# Altium PCB YZL-T808-V1.0.PcbDoc (part 1 of 2) (continued)
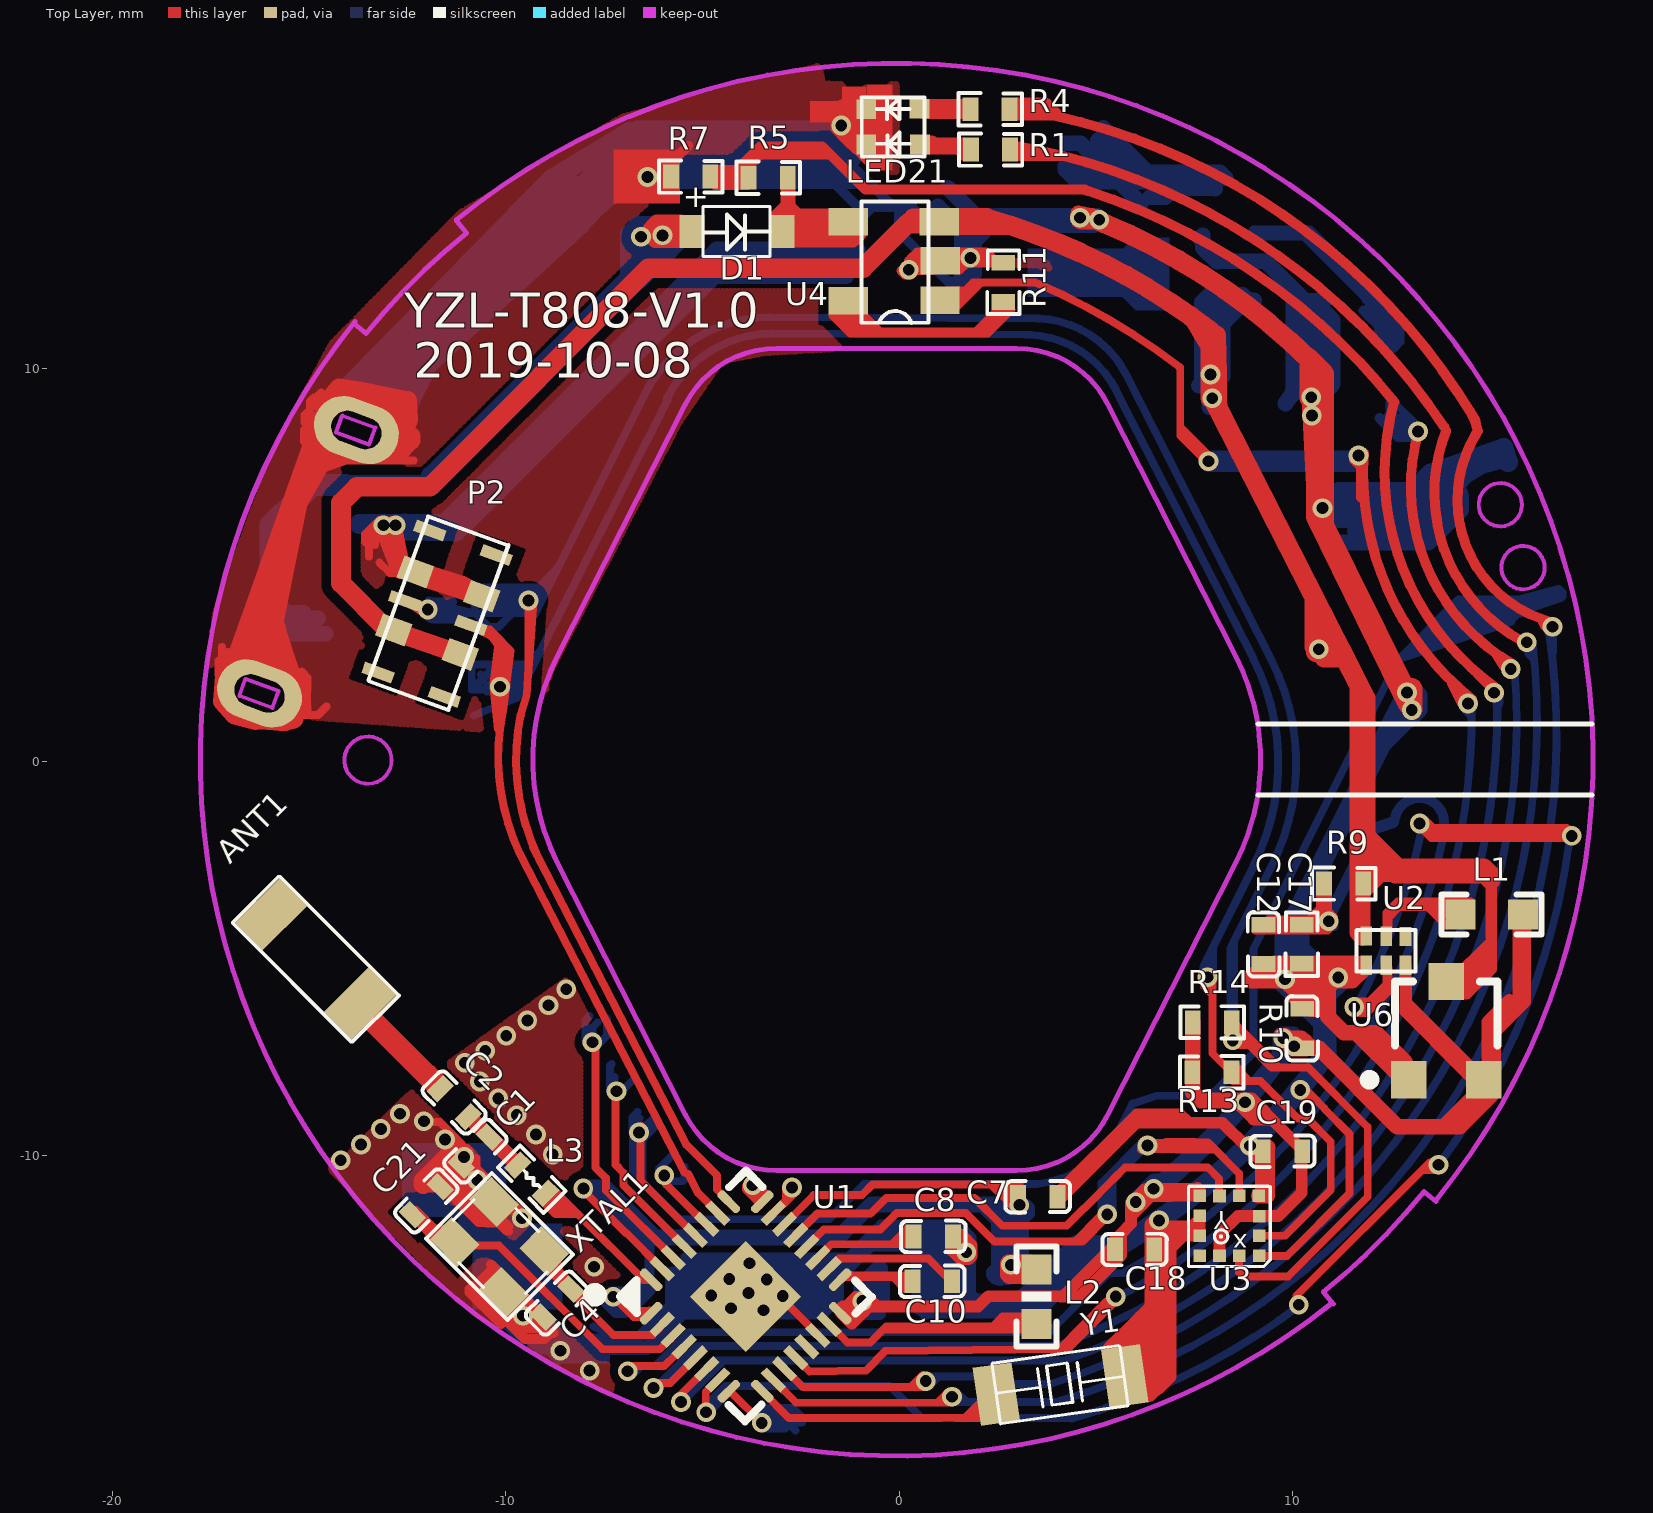
[diagram p0: Top Layer view]
## Nets (pads, with @x,y where several pads share a name; then routed paths per layer and width w, separated by ;. In a path a pad name is that pad's centre, name@x,y a point inside that pad or via, vN(x,y) a via of type N, cw(c..) or ccw(c..) an arc to the next point about the centre after c; other vN are vias at no path point) (continued)
  Bottom Layer w0.2: v1(-6.9,-15.494) -6.763,-15.357 -6.546,-15.357 ; v1@-6.761,-15.572 -6.546,-15.357 ; 5.711,-12.982 ccw(c-2.443,1.511) 13.873,-1.707 ; 5.718,-13.003 5.32,-13.003 3.819,-14.504 -5.34,-14.504 -6.192,-15.357 -6.546,-15.357 ; v1@10.754,-4.043 v1@10.781,-3.989 ; v1@10.942,-3.895 10.923,-3.914 10.923,-3.952 v1(10.923,-4.06) v1@11.068,-4.205 ; v1@11.021,-4.044 v1@11.05,-4.074
  Bottom Layer w0.254: 12.594,-1.5 cw(c13.223,-1.556) 13.847,-1.65
  Bottom Layer w0.3: v1@10.83,-4.03 v1@10.837,-4.017 ; v1@10.871,-4.054 10.879,-4.038 10.923,-3.952 12.045,-1.713 12.56,-1.542
GND: ANT1.2 B1.0 C1.1 C4.1 C6.1 C7.1 C8.1 C9.1 C12.1 C13.1 C14.1 C15.1 C16.1 C17.1 C18.2 C19.2 C21.2 GND.1 LED21.3 LED21.4 P2.1 P2.2 P3.5 P3.6 P3.7 P5.1 pad.0 Q1.2 R7.1 R10.1 R11.2 R12.1 RE1.2 U1.14 U1.33 U2.1 U3.1 U3.4 U3.8 U3.9 U4.2 U6.4 XTAL1.2 XTAL1.4 Y1.2 | length 505
  Top Layer w0.2: -17.284,2.575 -17.296,2.563 -17.296,2.2 -17.209,2.286 -17.209,2.921 ; -17.157,2.586 -17.157,2.684 -17.059,2.782 ; -15.245,6.99 -15.198,6.99 -14.532,7.656 -12.338,7.656 ; -15.19,2.288 -15.031,2.129 -15.031,1.323 -15.171,1.184 -14.771,1.184 -14.555,1.399 -14.555,1.406 ; -15.184,1.926 -15.184,2.231 ; -15.133,8.132 -15.133,8.432 -14.726,8.839 -14.726,9.038 -14.764,9.077 -14.764,9.315 -14.756,9.315 -14.687,9.384 ; -15.109,8.624 -15.109,8.816 -14.703,9.222 -14.703,9.338 ; -14.971,8.7 -14.971,9.153 -14.871,9.253 ; -13.484,5.568 -13.449,5.752 ; -13.471,5.208 -13.471,5.484 -13.58,5.594 -13.58,5.78 v1@-13.213,6.147 ; -13.38,5.809 -13.313,5.742 -13.313,5.503 ; -13.21,5.059 -12.949,4.798 P2.1@-12.72,4.798 ; v1@-12.041,-9.162 -11.676,-9.162 -11.109,-9.729 ; -11.978,-10.857 -11.718,-10.857 -11.369,-10.508 -11.369,-10.497 ; C21.2@-11.575,-10.645 -10.659,-11.562 ; -11.533,-10.492 -11.533,-10.582 -10.452,-11.662 ; v1@-11.533,-9.623 -11.4,-9.623 v1@-11.093,-9.93 ; -11.426,-10.429 C1.1@-11.272,-10.288 ; C21.2@-11.425,-10.788 -11.387,-10.788 ; C1.1@-11.298,-10.233 -11.303,-10.237 -11.366,-10.237 -11.662,-10.533 C21.2@-11.662,-10.809 C21.2@-11.564,-10.809 ; -11.143,-10.633 -11.118,-10.658 -11.118,-10.788 ; C1.1@-11.124,-10.254 -11.124,-10.304 XTAL1.2@-10.328,-11.099 ; C1.1@-11.113,-10.358 C21.2@-11.564,-10.809 ; C1.1@-11.105,-10.527 -11.105,-10.532 XTAL1.2@-10.446,-11.19 ; C1.1@-11.101,-10.502 -11.387,-10.788 ; C1.1@-10.935,-10.27 -10.744,-10.079 -10.744,-10.317 -10.411,-10.651 -10.411,-11.038 -10.056,-11.393 XTAL1.2@-10.056,-11.403 ; C1.1@-10.844,-10.38 -10.299,-10.926 XTAL1.2@-10.299,-11.19 XTAL1.2@-10.446,-11.19 ; -10.612,-11.697 -10.533,-11.697 -10.485,-11.746 -9.968,-11.746 ; XTAL1.2@-10.222,-11.706 -9.982,-11.947 -9.916,-11.947 ; XTAL1.2@-10.174,-11.15 -10.051,-11.273 -9.762,-11.273 -9.565,-11.47 v1@-9.565,-11.557 ; XTAL1.2@-10.117,-11.614 -9.916,-11.816 -9.907,-11.816 ; XTAL1.2@-9.832,-11.413 -9.662,-11.584 v1@-9.622,-11.584 ; XTAL1.4@-9.71,-13.558 -9.151,-14.117 C4.1@-9.049,-14.117 ; U1.33@-3.026,-13.653 -2.975,-13.653 -2.063,-14.565 U1.14@-2.063,-14.586 ; U3.1@9.149,-12.563 9.862,-12.563 11.449,-10.976 11.449,-9.466 10.805,-8.821 10.805,-8.808 ; v1@9.769,-5.663 10.009,-5.903 ; 10.063,-5.608 10.009,-5.662 10.009,-5.903 ; 10.136,-5.809 10.136,-5.842 10.067,-5.911 10.067,-5.961 ; v1@10.143,-8.406 10.267,-8.53 10.449,-8.53 ; 10.143,-5.668 10.239,-5.765 ; 10.143,-5.528 10.181,-5.566 10.239,-5.624 10.239,-5.765 ; v1(10.198,-8.344) v1@10.263,-8.344 ; C17.1@10.243,-6.281 C17.1@10.325,-6.281 ; v1@10.249,-8.33 v1@10.263,-8.344 ; 10.392,-8.525 10.445,-8.525 ; 10.437,-5.628 10.437,-5.916 ; 10.674,-5.751 10.628,-5.797 10.628,-6.387 ; 10.694,-5.658 10.437,-5.916 ; 10.756,-6.387 10.628,-6.387 ; 10.807,-8.817 10.807,-8.811 10.805,-8.808 ; 11.574,-6.988 12.674,-8.088 U2.1@12.922,-8.088 ; 11.79,-6.956 U2.1@12.922,-8.088 ; U2.1@12.957,-8.088 U2.1@12.922,-8.088 ; C21.2@-11.564,-10.809 -11.408,-10.809 -11.387,-10.788 ; -11.387,-10.788 -11.118,-10.788 ; -11.118,-10.788 -10.716,-11.19 XTAL1.2@-10.446,-11.19 ; 10.009,-5.903 10.067,-5.961 ; 10.009,-5.903 10.009,-6.068 C17.1@10.067,-6.125 ; C17.1@10.067,-6.125 C17.1@10.239,-6.298 ; C17.1@10.067,-6.125 10.067,-5.961 ; C17.1@10.239,-6.298 10.239,-6.03 ; C17.1@10.239,-6.298 10.309,-6.298 C17.1@10.325,-6.281 ; 10.239,-6.03 10.322,-6.03 10.437,-5.916 ; 10.239,-6.03 10.239,-5.765 ; v1@10.263,-8.344 10.445,-8.525 ; v1@10.263,-8.344 10.34,-8.344 10.522,-8.525 ; C17.1@10.325,-6.281 10.332,-6.281 10.438,-6.387 10.628,-6.387 ; C17.1@10.325,-6.281 10.437,-6.17 10.437,-5.916 ; 10.445,-8.525 10.522,-8.525 ; 10.445,-8.525 10.449,-8.53 ; 10.449,-8.53 10.527,-8.53 ; 10.449,-8.53 10.455,-8.536 10.532,-8.536 ; 10.522,-8.525 10.527,-8.53 ; 10.527,-8.53 10.532,-8.536 ; 10.532,-8.536 10.805,-8.808
  Top Layer w0.25: v1(-6.396,14.86) -6.384,14.871 v1@-6.258,14.871 ; v1@-6.396,15.01 v1@-6.258,14.871 ; v1@-6.18,14.74 -6.18,14.833 -5.361,15.652 ; -6.104,15.049 -6.172,14.981 v1@-6.172,14.871 ; R7.1@-5.725,15.151 -6.532,15.151 -6.625,15.059 -6.625,14.713 -6.498,14.587 -6.172,14.587 ; -1.504,16.475 -1.469,16.44 v1(-1.469,16.168) v1@-1.359,16.168 ; -1.354,16.626 -1.359,16.62 -1.359,16.431 ; -1.226,15.766 -1.226,15.715 -0.67,15.159 -0.67,15.12 ; -1.22,16.57 -1.359,16.431 ; -1.192,16.47 -1.309,16.353 v1@-1.309,16.168 ; -1.098,15.752 -1.092,15.757 -1.092,16.168 ; LED21.4@-0.975,16.72 -1.092,16.72 ; LED21.3@-0.957,15.831 -0.957,16.002 -0.945,16.014 ; LED21.4@-0.953,16.425 -0.834,16.306 ; -0.916,16.127 -0.957,16.168 -1.092,16.168 ; LED21.4@-0.827,16.563 -0.834,16.556 -0.834,16.306 ; LED21.4@-0.708,16.425 -0.708,15.813 LED21.3@-0.834,15.687 ; v1@0.054,12.478 0.15,12.381 0.309,12.381 v1@0.425,12.497 ; v1(0.245,12.503) v1@0.245,12.674 ; v1@0.245,12.729 v1@0.245,12.674 ; v1@0.297,12.497 v1@0.425,12.497 ; 0.297,12.775 0.463,12.941 0.601,12.941 U4.2@0.813,12.728 ; U4.2@1.537,12.505 v1@1.711,12.679 ; v1(1.812,12.804) 1.812,12.78 v1@1.76,12.728 ; R11.2@2.382,12.771 2.215,12.938 1.561,12.938 U4.2@1.35,12.728 ; R11.2@2.532,12.679 v1@1.711,12.679 ; R11.2@2.7,12.752 2.676,12.728 v1@1.76,12.728 ; v1@-6.258,14.871 v1@-6.172,14.871 ; -6.172,14.587 v1@-6.172,14.871 ; -6.172,14.587 -6.08,14.587 R7.1@-5.795,14.871 v1@-6.172,14.871 ; -1.359,15.819 v1@-1.359,16.168 ; -1.359,15.819 -1.621,16.08 -1.621,16.531 -1.432,16.72 -1.092,16.72 ; -1.359,15.819 -1.309,15.769 ; v1@-1.359,16.168 -1.359,16.431 ; v1@-1.359,16.168 v1@-1.309,16.168 ; -1.309,15.769 v1@-1.309,16.168 ; -1.309,15.769 -1.109,15.568 -0.903,15.568 -0.834,15.637 LED21.3@-0.834,15.685 LED21.3@-0.834,15.687 ; v1@-1.309,16.168 -1.092,16.168 ; -1.092,16.168 -1.092,16.72 ; LED21.3@-0.834,15.687 -0.834,16.306 ; v1@0.245,12.674 0.299,12.728 U4.2@0.656,12.728 ; v1@0.425,12.497 U4.2@0.656,12.728 ; v1@0.425,12.497 0.846,12.497 1.043,12.694 U4.2@1.043,12.728 ; U4.2@0.656,12.728 U4.2@0.813,12.728 ; U4.2@0.813,12.728 U4.2@1.043,12.728 ; U4.2@1.043,12.728 1.092,12.679 v1@1.711,12.679 ; U4.2@1.043,12.728 U4.2@1.35,12.728 ; U4.2@1.35,12.728 v1@1.76,12.728 ; v1@1.711,12.679 v1@1.76,12.728
  Top Layer w0.254: v1@-10.982,-9.851 -10.935,-9.899 v1@-10.935,-9.968 ; -10.913,-13.405 -10.913,-13.495 -10.119,-14.29 ; -10.818,-13.326 -10.76,-13.326 -10.304,-12.87 ; -10.807,-13.395 -10.791,-13.395 -9.515,-14.671 -9.012,-14.671 -8.863,-14.523 -8.784,-14.523 ; -10.373,-12.78 -10.368,-12.78 -10.166,-12.981 -10.166,-13.098 XTAL1.4@-10.087,-13.177
  Top Layer w0.3: C21.2@-11.793,-10.609 -11.745,-10.609 -10.675,-11.678 XTAL1.2@-10.32,-11.678 ; 7.277,-9.1 7.277,-9.108 7.142,-8.973 6.039,-8.973 4.025,-10.987 C7.1@4.025,-11.059 4.148,-11.059 6.028,-9.179 8.219,-9.179 v1@8.86,-9.82 ; U3.9@7.634,-11.995 7.642,-11.986 U3.8@7.642,-11.547 ; v1(8.918,-9.762) v1@8.86,-9.82 ; U3.4@9.19,-11.016 9.19,-10.15 v1@8.86,-9.82
  Top Layer w0.4: XTAL1.4@-9.682,-13.829 -9.475,-14.035 -9.475,-14.338 ; C4.1@-9.214,-14.025 -9.757,-13.483 XTAL1.4@-10.042,-13.483 -10.042,-13.772 -9.475,-14.338 ; -9.121,-14.338 -9.475,-14.338 ; 1.371,-12.386 1.578,-12.593 1.758,-12.593 1.791,-12.56 1.791,-12.305 v1@1.709,-12.223 ; C8.1@1.385,-12.208 1.385,-12.243 1.61,-12.468 v1(1.709,-12.468) v1@1.709,-12.223 ; C8.1@1.475,-12.179 C8.1@1.367,-12.071 ; C8.1@1.479,-12.031 C8.1@1.438,-12.071 ; v1@1.583,-12.349 1.367,-12.133 C8.1@1.367,-12.071 ; 1.673,-12.183 1.709,-12.218 v1@1.709,-12.223 ; v1@4.553,13.937 4.863,13.877 v1@4.991,13.84 ; v1(5.087,13.772) 5.222,13.679 v1@5.292,13.632 ; Y1.2@5.355,-14.947 6.163,-14.139 ; Y1.2@5.846,-15.179 6.163,-14.862 6.163,-14.139 ; 5.992,-14.666 5.736,-14.921 Y1.2@5.736,-15.613 6.212,-15.137 ; 6.212,-15.035 6.212,-15.137 ; Y1.2@6.253,-15.92 6.212,-15.879 6.212,-15.137 ; 6.35,-16.082 6.489,-15.944 C18.2@6.489,-12.502 ; 6.446,-11.87 6.951,-11.87 ; v1@6.491,-11.719 6.44,-11.769 6.44,-13.862 6.163,-14.139 ; v1@6.515,-11.778 6.563,-11.778 6.596,-11.744 v1@6.561,-11.709 ; v1@6.516,-11.709 v1@6.561,-11.709 ; 6.584,-15.881 6.845,-15.62 6.845,-12.361 7.204,-12.002 ; v1@6.712,-11.794 6.627,-11.709 v1@6.561,-11.709 ; 7.558,-11.773 7.461,-11.87 7.337,-11.87 ; U3.9@7.578,-12.002 7.204,-12.002 ; U3.4@9.144,-11.035 9.36,-11.035 9.36,-9.803 C19.2@9.364,-9.799 ; 11.507,-5.4 11.607,-5.3 11.784,-5.3 11.519,-5.566 v1@11.118,-5.566 ; 11.71,-5.143 11.633,-5.143 11.375,-5.401 9.019,-5.401 8.938,-5.483 8.938,-5.566 10.181,-5.566 v1@11.081,-5.566 ; U2.1@12.868,-7.644 12.117,-6.893 11.308,-6.893 10.903,-6.488 10.903,-5.744 v1@11.081,-5.566 ; C8.1@1.367,-12.071 C8.1@1.438,-12.071 ; C8.1@1.438,-12.071 1.557,-12.071 v1@1.709,-12.223 ; C18.2@6.489,-12.502 6.989,-12.002 7.204,-12.002 ; C18.2@6.489,-12.502 6.489,-12.332 6.951,-11.87 ; 6.951,-11.87 7.337,-11.87 ; 7.204,-12.002 7.337,-11.87 ; v1@11.081,-5.566 v1@11.118,-5.528 ; v1@11.081,-5.566 v1@11.118,-5.566 ; v1@11.118,-5.566 v1@11.118,-5.528 ; v1@11.118,-5.528 11.118,-5.482 11.124,-5.487 v1(11.159,-5.487) v1@11.118,-5.528
  Top Layer w0.5: P3.6@-17.133,2.182 -17.163,1.805 -17.184,1.533 -16.879,1.19 -16.426,1.073 -16.357,1.056 P3.6@-16.256,1.734 ; P3.6@-16.458,2.516 -15.72,4.392 ; P3.6@-16.231,1.063 -15.717,1.028 -15.597,1.033 -15.388,1.085 -15.344,1.665 -15.336,1.779 -15.408,2.005 -15.77,3.136 ; P3.6@-15.807,2.287 -15.693,2.866 ; P3.6@-15.522,1.668 -15.462,2.051 -15.693,2.866 ; P3.7@-14.525,7.993 -14.271,7.872 -14.493,7.961 -14.717,7.571 ; P3.7@-14.293,8.706 P3.7@-14.602,8.853 ; P3.7@-14.062,7.796 -14.717,7.571 ; P3.7@-13.794,8.427 -14.624,8.793 P3.7@-14.602,8.853 ; P3.7@-13.743,9.133 -13.57,9.073 -12.477,8.695 ; v1@-13.108,5.976 -13.073,5.892 -13.068,5.879 -12.666,4.897 P2.1@-12.293,4.822 -12.707,5.056 -12.889,5.986 v1@-12.89,5.988 ; P3.7@-12.996,8.055 -12.608,8.368 -12.477,8.695 ; -12.752,7.833 -12.414,8.171 -12.414,8.263 ; -12.094,-10.736 -12.094,-10.667 -11.416,-9.989 C1.1@-11.215,-9.989 ; P2.1@-12.045,4.679 P2.2@-10.605,4.201 -11.083,4.461 -11.891,4.727 ; v1@4.591,13.809 4.627,13.772 v1@4.995,13.772 ; v1@4.887,13.816 cw(c-1.188,-1.612) v1@4.995,13.772 ; v1@5.086,13.736 cw(c-1.188,-1.612) v1@5.222,13.679 ; v1(5.087,13.772) v1@4.995,13.772 ; 10.386,10.28 10.806,9.86 10.806,6.084 ; 10.426,10.211 10.426,9.232 v1@10.463,9.195 ; 10.43,10.217 ccw(c-1.188,-1.612) v1@5.222,13.679 ; v1(10.475,9.261) 10.499,8.798 10.591,7.014 ; 10.806,6.006 10.806,6.084 ; v1@12.932,1.455 12.808,1.707 10.591,6.221 10.591,7.014 ; v1@13.029,1.511 12.908,1.756 10.624,6.375 v1@10.621,6.435 ; v1@13.03,1.878 13.055,1.853 13.055,1.325 v1@13.049,1.319 ; P3.6@-16.256,1.734 -15.889,3.555 ; P3.6@-16.256,1.734 -16.908,2.419 -14.656,8.735 -14.612,8.858 P3.7@-14.602,8.853 ; -15.889,3.555 -15.693,2.866 ; -15.889,3.555 -15.276,6.593 -14.717,7.571 ; P3.7@-14.602,8.853 -14.469,9.209 -14.232,9.487 -13.702,9.413 -13.597,9.392 -12.502,9.168 -12.477,8.695 ; v1@4.995,13.772 cw(c-1.188,-1.612) v1@5.222,13.679 ; 10.591,7.014 v1@10.621,6.435 ; v1@10.621,6.435 10.648,6.383 10.806,6.084
  Bottom Layer w0.2: -11.394,-10.528 -9.511,-12.411 -9.511,-14.103 v1@-9.471,-14.103 ; -10.298,-13.942 -10.298,-14.031 -9.612,-14.717 -9.292,-14.717 ; -9.952,-14.16 -9.433,-14.679 -9.433,-14.698 ; v1@-9.61,-14.232 -8.95,-14.892 -8.946,-14.892 ; -9.58,-14.627 -9.497,-14.627 -9.157,-14.967 -8.99,-14.967 ; -9.464,-14.373 -8.946,-14.892 ; -9.438,-14.539 -9.329,-14.539 -9.166,-14.539 ; -7.764,-14.361 -7.362,-14.527 ; -7.326,-14.521 -7.075,-14.773 -6.611,-14.773 ; -7.324,-14.791 -6.833,-14.791 -5.437,-13.395 -5.079,-13.395 ; -7.287,-14.76 -7.209,-14.838 -7.149,-14.838 ; C16.1@-6.512,-14.833 -6.61,-14.932 -6.61,-14.984 ; C16.1@-6.254,-14.674 -6.393,-14.813 -6.393,-14.984 -6.61,-14.984 ; C9.1@-5.599,-12.83 -5.563,-12.83 -5.457,-12.724 -5.457,-12.574 -1.304,-12.574 ; -5.436,-13.64 -5.545,-13.749 -5.654,-13.749 -5.745,-13.841 -6.796,-14.892 -8.946,-14.892 ; -1.652,-12.802 -1.533,-12.802 -1.304,-12.574 ; -1.082,-12.444 -1.212,-12.574 -1.304,-12.574 ; 0.16,-11.744 -0.474,-11.744 -1.304,-12.574 ; Q1.2@7.558,13.247 7.72,13.085 8.087,12.718 8.094,12.711 8.174,12.632 9.353,12.632 10.023,11.962 C6.1@10.023,11.722 ; -8.946,-14.892 -8.854,-14.984 -6.61,-14.984
  Bottom Layer w0.25: -8.757,13.87 -8.261,13.87 -7.956,13.87 -7.141,14.685 -1.631,14.685 ; -8.502,14.352 -6.686,16.168 v1@-1.624,16.168 ; -6.768,15.985 -1.652,15.985 v1@-1.624,16.013 ; v1@-6.405,15.009 -2.027,15.009 ; -1.811,12.95 -1.811,12.965 -1.808,12.969 B1.0@-0.688,14.088 ; -1.663,14.717 -1.643,14.697 ; B1.0@-1.47,14.94 -1.469,14.941 B1.0@-1.469,15.009 ; B1.0@-1.458,15.376 -1.458,15.367 B1.0@-1.469,15.357 ; B1.0@-1.137,14.716 -1.155,14.697 -1.643,14.697 ; B1.0@-1.018,15.964 -1.422,16.368 -1.568,16.368 -1.624,16.312 v1@-1.624,16.168 ; B1.0@-0.917,14.867 -1.958,14.867 ; B1.0@-0.653,14.617 -0.72,14.685 B1.0@-0.73,14.685 ; B1.0@0.354,14.088 B1.0@-0.005,14.088 ; 2.378,13.574 1.985,13.181 1.985,12.38 1.812,12.207 1.246,12.207 -0.005,13.458 B1.0@-0.005,14.088 ; P5.1@10.358,9.686 10.485,9.686 10.529,9.686 P5.1@10.658,9.815 ; -2.027,15.009 -1.816,15.009 ; -2.027,15.009 -1.624,15.413 -1.624,15.419 v1@-1.624,16.013 ; -1.958,14.867 -6.388,14.867 v1(-6.396,14.86) -6.232,14.697 -1.643,14.697 ; -1.958,14.867 -1.816,15.009 ; -1.816,15.009 B1.0@-1.469,15.009 ; -1.816,15.009 B1.0@-1.469,15.357 ; -1.643,14.697 -1.631,14.685 ; -1.631,14.685 -1.034,14.088 B1.0@-0.688,14.088 ; -1.631,14.685 B1.0@-0.73,14.685 ; v1@-1.624,16.013 v1@-1.624,16.168 ; v1@-1.624,16.013 v1(-1.469,16.168) ; v1@-1.624,16.168 v1(-1.469,16.168) ; B1.0@-1.469,15.009 B1.0@-1.469,15.357 ; B1.0@-1.469,15.009 -1.055,15.009 B1.0@-0.73,14.685 ; B1.0@-1.469,15.357 -1.469,15.419 v1(-1.469,16.168) ; B1.0@-0.73,14.685 B1.0@-0.133,14.088 ; B1.0@-0.688,14.088 B1.0@-0.133,14.088 ; B1.0@-0.133,14.088 B1.0@-0.005,14.088
  Bottom Layer w0.4: C16.1@-6.254,-14.674 C16.1@-6.254,-14.704 ; C9.1@-5.745,-13.026 -5.745,-13.841 -5.745,-14.196 C16.1@-6.254,-14.704 ; -4.759,12.334 B1.0@-1.345,12.334 ; -1.596,-13.088 -1.596,-13.61 -1.962,-13.976 -5.515,-13.976 C16.1@-6.254,-14.715 C16.1@-6.254,-14.704 ; -0.168,-12.097 -0.125,-12.14 0.367,-12.14 0.482,-12.254 ; 0.373,-12.127 0.499,-12.254 ; B1.0@0.375,13.939 0.682,13.632 4.946,13.632 v1(5.087,13.772) ; C13.1@0.496,-12.852 0.496,-12.793 C13.1@0.567,-12.865 ; C14.1@0.511,-13.865 0.51,-13.864 0.51,-12.953 1.181,-12.953 ; C14.1@0.515,-13.686 C14.1@0.547,-13.654 ; 0.543,-12.055 1.035,-12.055 ; C14.1@0.675,-13.977 C14.1@0.583,-13.885 ; C13.1@0.708,-12.819 0.143,-12.254 ; 0.781,-13.142 0.781,-13.488 1.009,-13.717 1.156,-13.717 ; B1.0@0.929,14.07 1.127,13.872 B1.0@1.227,13.872 ; 0.98,-13.379 1.156,-13.555 1.156,-13.717 ; B1.0@0.991,14.108 B1.0@1.227,13.872 ; 1.079,-13.182 1.305,-13.408 1.305,-13.717 ; 1.175,-11.915 1.035,-12.055 ; B1.0@1.24,14.582 1.95,13.872 ; C15.1@1.369,-13.044 1.278,-12.953 1.181,-12.953 ; C15.1@1.381,-12.91 1.381,-12.475 1.424,-12.517 1.473,-12.468 v1(1.709,-12.468) 1.752,-12.511 1.752,-13.543 1.925,-13.717 ; C15.1@1.4,-12.993 1.4,-13.26 1.856,-13.717 ; v1@1.764,-12.486 1.764,-12.115 1.491,-11.842 -0.326,-11.842 -0.738,-12.254 ; 1.765,13.234 1.817,13.234 2.048,13.464 ; 1.958,-13.749 1.925,-13.717 ; 2.186,13.872 1.95,13.872 ; 3.537,-13.243 4.365,-12.415 5.555,-12.415 ; 3.576,-13.179 3.038,-13.717 1.925,-13.717 ; 3.595,-13.148 4.508,-12.234 5.552,-12.234 5.569,-12.251 ; 4.463,-12.597 3.237,-13.823 3.237,-13.949 ; 5.083,-12.415 5.064,-12.415 3.531,-13.949 3.237,-13.949 ; 5.502,-12.292 ccw(c-3.28,2.511) 5.569,-12.251 ; 5.581,-12.395 ccw(c-3.201,2.407) 10.913,-7.444 ; 5.657,-12.199 5.587,-12.27 5.569,-12.251 ; Q1.2@7.72,13.373 7.72,13.085 7.72,13.064 8.072,12.711 8.094,12.711 ; 8.087,12.718 9.31,12.718 10.316,11.713 R12.1@10.808,11.713 ; P5.1@9.82,9.103 9.916,9.244 P5.1@10.358,9.686 ; 9.984,-3.95 9.984,-4.088 9.984,-4.145 9.926,-4.203 9.761,-4.368 9.761,-4.546 ; P5.1@9.99,9.396 10.023,9.429 C6.1@10.023,11.722 ; 10.015,-5.369 10.318,-5.673 10.717,-5.673 ; 10.126,-3.841 10.09,-3.877 10.052,-3.915 10.052,-3.953 10.052,-4.256 9.906,-4.401 ; 10.227,-3.731 10.227,-5.069 ; 10.251,-4.751 10.77,-5.27 ; 10.615,-6.168 10.596,-6.168 9.906,-5.478 9.906,-4.93 ; 10.717,-7.519 10.717,-6.65 ; 10.833,-7.34 cw(c-3.28,2.511) 10.717,-7.505 cw(c-3.28,2.511) 5.569,-12.251 ; 10.913,-7.451 10.913,-7.444 ; v1(11.159,-5.487) 10.936,-5.487 10.913,-5.463 10.913,-5.958 ; GND.1@11.16,6.134 14.014,6.134 14.282,6.402 ; GND.1@11.173,5.569 13.463,5.569 13.727,5.833 ; v1@11.265,-5.524 v1@11.265,-5.443 ; GND.1@11.586,5.867 11.62,5.833 13.727,5.833 ; 14.282,6.748 14.282,6.402 ; -0.738,-12.254 -0.759,-12.254 -1.516,-13.011 -1.495,-13.011 -0.738,-12.254 ; -0.738,-12.254 0.143,-12.254 ; 0.143,-12.254 0.482,-12.254 ; 0.482,-12.254 1.002,-12.774 ; 0.482,-12.254 0.499,-12.254 ; 0.499,-12.254 1.002,-12.254 ; C14.1@0.583,-13.885 0.578,-13.88 C14.1@0.578,-13.885 C14.1@0.583,-13.885 ; C14.1@0.583,-13.885 0.595,-13.885 0.658,-13.949 3.237,-13.949 ; 1.002,-12.774 1.181,-12.953 ; 1.002,-12.774 1.002,-12.254 ; 1.002,-12.254 1.558,-12.254 1.6,-12.213 1.442,-12.055 1.035,-12.055 ; 1.002,-12.254 1.002,-12.088 1.035,-12.055 ; 1.156,-13.717 1.305,-13.717 ; B1.0@1.227,13.872 1.95,13.872 ; B1.0@1.227,13.872 1.326,13.772 v1(5.087,13.772) ; 1.305,-13.717 1.856,-13.717 ; 1.856,-13.717 1.925,-13.717 ; 1.95,13.872 5.042,13.872 5.087,13.827 v1(5.087,13.772) ; 9.761,-4.546 9.761,-4.785 9.906,-4.93 ; 9.761,-4.546 9.906,-4.401 ; 9.761,-4.546 9.742,-4.565 9.742,-5.676 10.717,-6.65 ; 9.906,-4.93 9.906,-4.401 ; 10.227,-5.069 10.227,-5.184 10.717,-5.673 ; 10.227,-5.069 10.429,-5.27 10.77,-5.27 ; 10.717,-6.65 10.717,-5.673 ; 10.77,-5.27 11.24,-5.27 11.265,-5.295 v1@11.265,-5.443 ; 10.77,-5.27 10.93,-5.43 10.963,-5.396 11.218,-5.396 v1@11.265,-5.443 ; 10.913,-7.444 10.913,-5.958 ; 10.913,-5.958 11.266,-5.605 11.266,-5.444 v1@11.265,-5.443 ; 13.727,5.833 14.282,6.389 14.282,6.402
  Bottom Layer w0.5: P3.5@-13.713,6.039 v1@-12.631,6.039 ; -13.331,5.883 -13.11,5.88 -12.799,5.874 -12.733,5.873 -11.264,5.849 -11.077,6.029 -11.066,6.039 ; P3.7@-12.984,8.068 -11.937,10.132 ; v1@-12.89,5.988 v1(-12.796,6.006) -12.731,6.019 v1@-12.631,6.039 ; -12.812,9.024 P3.7@-13.794,8.427 ; v1@-12.583,6.052 -12.565,6.052 -12.582,6.049 v1@-12.631,6.039 ; -11.15,11.66 -13.68,9.197 P3.7@-13.794,8.427 ; -9.163,13.731 P3.7@-13.794,8.427 ; -9.01,14.411 -14.229,8.975 P3.7@-13.794,8.427 ; -8.84,13.511 P3.7@-13.794,8.427 ; -8.093,13.663 P3.7@-13.794,8.427 ; -8.023,14.037 -8.023,14.108 -8.023,14.121 -8.009,14.121 -7.763,14.368 -7.458,14.672 ; -6.863,16.007 -8.83,14.806 -14.452,9.073 -14.52,9.004 P3.7@-13.794,8.427 ; B1.0@-1.103,12.627 -1.135,12.595 -4.498,12.595 -4.759,12.334 -10.411,6.682 ; B1.0@-1.086,12.969 -1.808,12.969 -4.62,12.969 -11.549,6.039 ; 9.786,-4.484 9.926,-4.203 9.984,-4.088 10.052,-3.953 10.09,-3.877 12.26,0.453 ; 10.238,11.051 10.485,10.804 ; 10.308,11.243 10.485,11.066 ; 10.324,11.401 10.485,11.24 10.485,11.066 ; P5.1@10.645,9.504 10.703,9.562 10.703,11.474 10.973,11.204 10.973,9.613 10.646,9.286 P5.1@10.485,9.286 10.485,9.686 10.485,10.804 ; 12.238,0.431 12.26,0.453 ; 12.402,6.688 12.876,6.688 13.511,7.323 15.368,7.972 15.48,7.616 15.475,7.613 ; v1@12.906,1.742 12.805,1.541 12.759,1.449 12.616,1.164 ; v1@12.971,1.801 13.049,1.801 13.18,1.67 13.18,1.33 13.014,1.164 v1@12.971,1.164 ; v1(13.032,1.312) 13.032,1.225 v1@12.971,1.164 ; RE1.2@13.903,6.956 13.801,6.854 11.172,6.854 v1(10.761,6.443) 11.247,6.443 11.33,6.525 13.962,6.525 14.228,6.791 14.221,6.791 ; RE1.2@13.979,6.827 14.489,7.469 15.403,7.721 ; 14.363,7.302 14.9,7.63 ; v1@-12.631,6.039 -11.549,6.039 ; -11.549,6.039 -11.066,6.039 ; -11.066,6.039 -11.054,6.039 -10.411,6.682 ; -11.066,6.039 -10.411,6.682 ; 10.485,10.804 10.485,11.066 ; 12.26,0.453 12.616,1.164 ; 12.26,0.453 v1@12.971,1.164 ; 12.616,1.164 v1@12.971,1.164
  Bottom Layer w1: -8.429,14.447 -8.599,14.447 -8.757,14.289 -8.757,13.87 -8.019,14.153 -7.763,14.368 -7.023,14.988 ; -8.261,13.87 -8.023,14.108 -8.009,14.121 ; -7.458,14.672 -6.711,15.419 -1.624,15.419 -1.469,15.419 -1.466,15.419 B1.0@-1.444,15.442
  other v1: -7.866,-15.479 -8.609,-14.973 -9.559,-14.085 -3.446,-13.946 -4.276,-13.894 -4.776,-13.569 -2.957,-13.58 -3.828,-13.507 -3.364,-13.162 -4.317,-13.152 -7.752,-12.84 -3.802,-12.75 6.608,-11.66 -9.587,-11.607 -10.722,-10.634 -14.193,-10.133 -11.056,-10.049 -8.807,-9.985 -13.678,-9.732 -11.542,-9.605 -9.23,-9.478 -13.171,-9.337 -12.078,-9.139 -9.716,-8.984 -12.684,-8.949 -10.189,-8.561 -10.661,-8.131 -11.042,-7.652 -10.52,-7.349 -9.984,-6.968 -9.448,-6.58 -8.913,-6.192 -8.461,-5.784 9.81,-5.53 12.91,1.757 -13.108,6.005 10.491,8.798 4.598,13.823
INT1: U1.20 U3.5 | length 21.7
  Top Layer w0.2: U1.20@-2.346,-12.323 -1.915,-11.893 -0.479,-11.893 -0.058,-11.472 1.695,-11.472 2.423,-12.2 4.466,-12.2 ; v1@5.129,-11.538 4.466,-12.2 ; v1@5.256,-11.61 5.251,-11.61 4.66,-12.2 4.466,-12.2 ; v1@6.141,-9.858 6.146,-9.854 7.059,-9.854 ; v1@6.302,-9.653 6.346,-9.697 6.752,-9.697 6.78,-9.669 7.518,-9.669 7.526,-9.677 ; 6.988,-9.783 7.059,-9.854 ; 7.084,-9.825 7.139,-9.77 7.619,-9.77 ; 7.147,-9.677 7.526,-9.677 ; 7.983,-9.858 7.063,-9.858 7.059,-9.854 ; U3.5@8.646,-11.035 8.646,-10.474 7.943,-9.77 ; 7.059,-9.854 7.599,-9.854 7.619,-9.834 7.619,-9.77 ; 7.526,-9.677 7.85,-9.677 7.943,-9.77 ; 7.526,-9.677 7.619,-9.77 ; 7.619,-9.77 7.943,-9.77
  Bottom Layer w0.2: v1@5.139,-11.493 5.139,-10.714 v1@6.174,-9.679 ; v1(5.289,-11.507) 5.289,-10.773 5.306,-10.756 ; v1@5.43,-11.437 5.43,-10.619 6.29,-9.759 v1(6.312,-9.759)
INT2: U1.21 U3.6 | length 12.6
  Top Layer w0.2: U1.21@-2.629,-12.04 -2.075,-11.487 -0.724,-11.487 -0.327,-11.091 1.916,-11.091 2.624,-11.799 4.257,-11.799 4.713,-11.342 ; 4.71,-11.351 5.457,-10.604 ; 5.438,-10.62 5.744,-10.313 7.844,-10.313 8.133,-10.602 U3.6@8.133,-10.963
LED1: R4.2 U1.10 | length 60.2
  Top Layer w0.2: U1.10@-3.194,-15.717 -2.616,-16.295 0.971,-16.295 ; v1@1.214,-16.052 0.971,-16.295 ; v1(1.346,-16.141) 1.346,-16.283 1.359,-16.295 0.971,-16.295
  Top Layer w0.254: R4.2@2.791,16.63 cw(c0.378,0.225) R4.2@2.881,16.616 ; R4.2@3.006,16.609 3.034,16.637 3.847,16.637 ; 3.962,16.42 3.936,16.42 ; 4.018,16.466 3.847,16.637 ; 14.502,8.922 cw(c13.029,8.023) 14.712,8.408 ; 14.652,8.661 ccw(c0.378,0.225) 14.577,8.788 ccw(c0.378,0.225) 3.936,16.42 ; 14.677,8.345 ccw(c17.399,6.648) v1@16.585,3.546 ; 16.324,3.625 v1@16.419,3.45 ; R4.2@2.881,16.616 cw(c0.378,0.225) 3.936,16.42 ; R4.2@2.881,16.616 2.846,16.582 R4.2@2.809,16.582 2.971,16.42 3.936,16.42 ; R4.2@2.881,16.616 3.022,16.757 3.727,16.757 3.847,16.637
  Bottom Layer w0.2: v1(1.346,-16.141) 1.346,-16.172 1.449,-16.276 1.711,-16.276 ; v1@1.467,-16.031 1.711,-16.276 ; 2.529,-16.276 1.711,-16.276 ; 4.067,-16.276 1.711,-16.276 ; 4.082,-16.244 ccw(c-0.934,0.672) v1@16.512,3.313 ; 16.615,2.77 16.615,3.206 v1@16.746,3.337
  other v1: 16.609,3.43